# KiCad board Modem.kicad_pcb
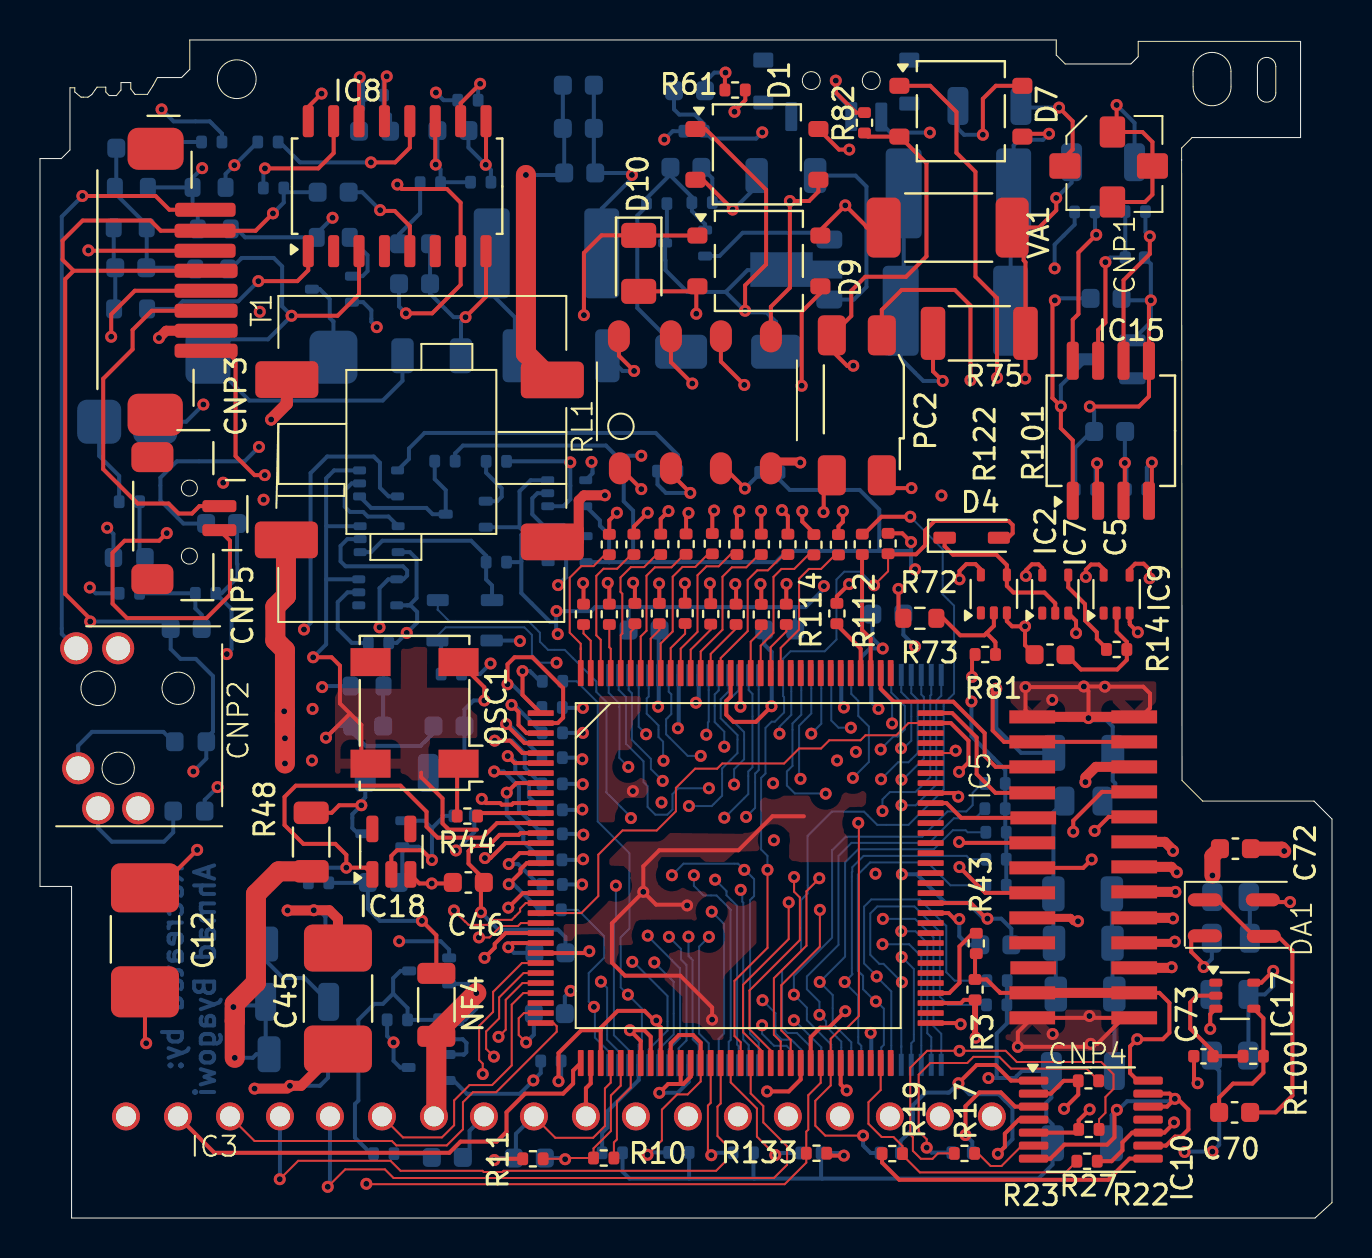
[diagram p0: board, top side]
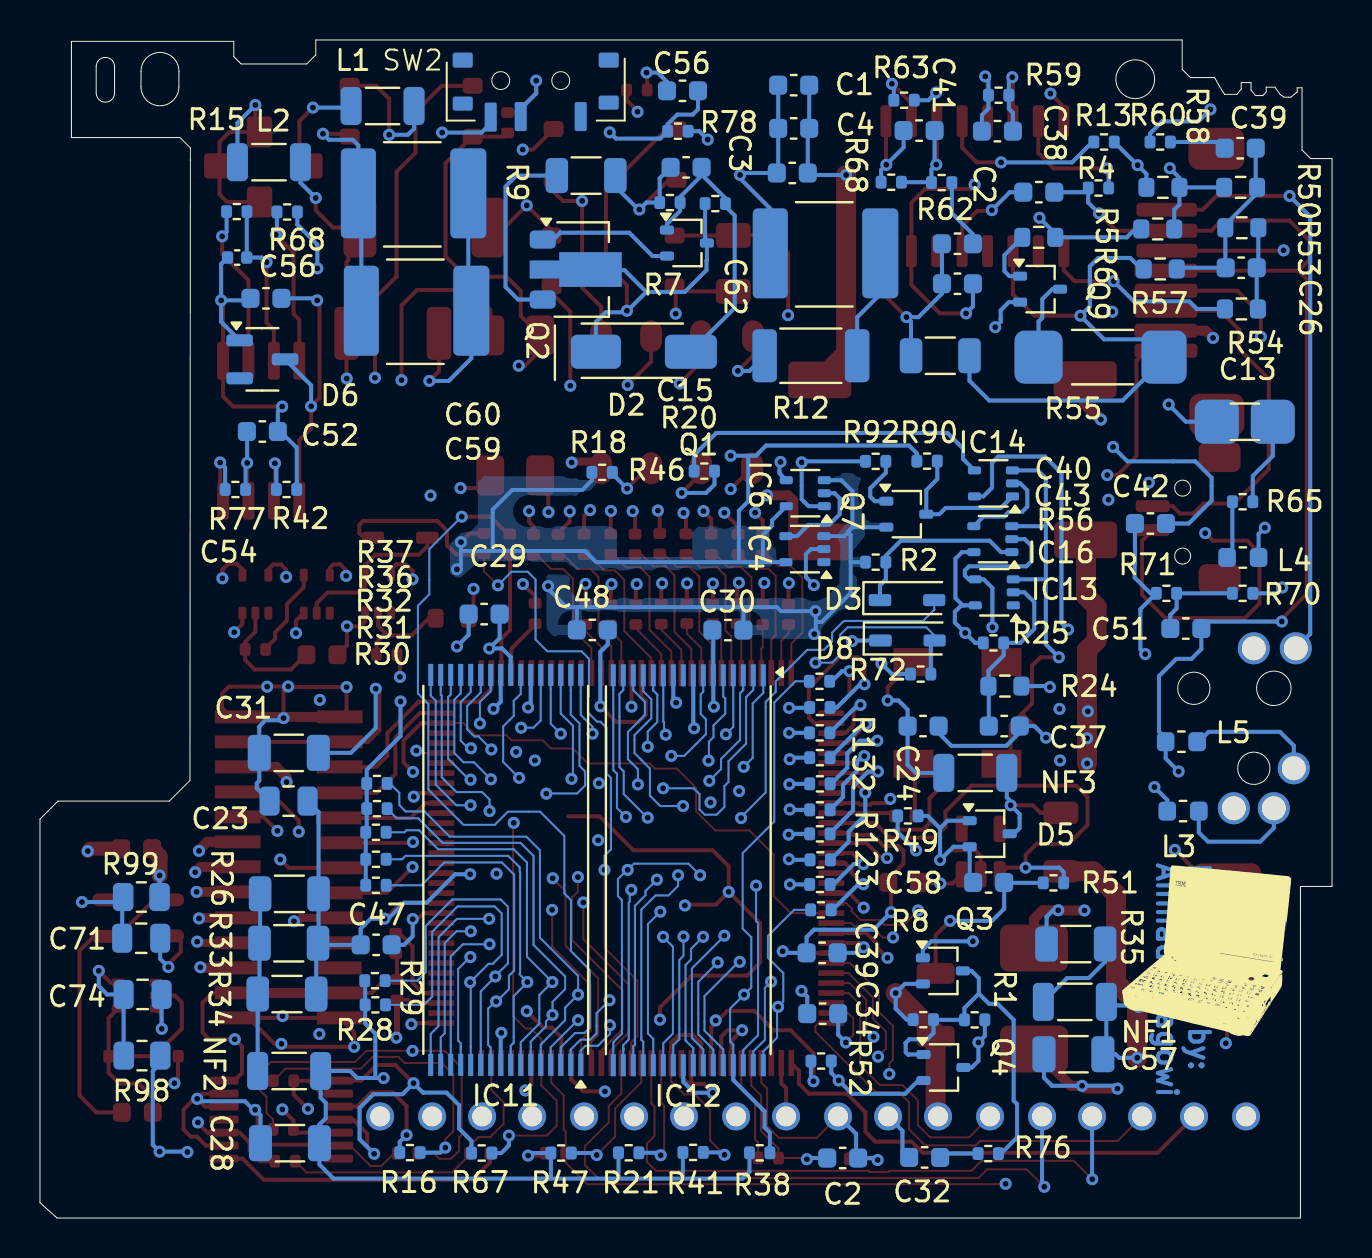
[diagram p1: board, bottom side, seen from below]

Outline 64.61 x 58.91 mm; copper layers: FC, IC1, IP1, IP2, IC2, BC. Coordinates in mm from the lower left corner of the outline.
Outline path: circle c9.84,56.95 r0.97 ; 0,52.98 0,16.58 1.58,16.58 1.58,0 63.76,0 64.61,0.77 64.61,19.95 63.71,20.85 58.14,20.85 57.11,21.88 57.09,52.9 57.09,53.51 57.61,54.03 63.04,54.03 63.04,58.84 54.92,58.84 54.92,58.08 54.55,57.71 51.27,57.71 50.82,58.16 50.82,58.91 7.49,58.91 7.49,57.44 7.08,57.03 5.87,57.03 5.65,56.63 5.37,56.19 4.75,56.19 4.54,56.46 4.54,56.78 4.05,56.78 4.05,56.41 3.82,56.13 3.46,56.13 3.29,56.31 3.29,56.55 2.85,56.55 2.59,56.18 2.4,56.05 2.05,56.05 1.74,56.31 1.74,56.52 1.5,56.52 1.5,53.41 1.07,52.98 0,52.98 ; 57.66,57.34 57.67,56.57 arc(58.61,55.62) 59.56,56.57 59.56,57.34 arc(58.61,58.29) 57.66,57.34 ; 60.88,57.58 arc(61.34,58.04) 61.8,57.58 61.8,56.26 arc(61.34,55.8) 60.88,56.26 60.88,57.58
Stack: FC 0.035mm / dielectric 0.1mm FR4 er 4.5 / IC1 0.035mm / dielectric 0.535mm FR4 er 4.5 / IP1 0.035mm / dielectric 0.1mm FR4 er 4.5 / IP2 0.035mm / dielectric 0.535mm FR4 er 4.5 / IC2 0.035mm / dielectric 0.1mm FR4 er 4.5 / BC 0.035mm

## Placement (name value [footprint] x y rotation side)
C1  330nF  [C_0603_1608Metric]  26.92 56.65 180 bottom
C2  1nF  [C_0603_1608Metric]  24.47 3 180 bottom
C2#2  1.2uF  [C_0603_1608Metric]  14.66 51.3 180 bottom
C3  30nF  [C_0603_1608Metric]  26.99 52.26 180 bottom
C4  330nF  [C_0603_1608Metric]  26.92 54.49 180 bottom
C5  250nF  [C_0603_1608Metric]  50.51 28.17 0 top
C12  47uF 16v  [C_1812_4532Metric#2]  5.25 13.94 90 top
C13  822J  [C_1206_3216Metric#2]  4.36 39.82 180 bottom
C15  1.2uF  [C_0603_1608Metric]  32.3 52.54 180 bottom
C23  1.2uF  [C_0805_2012Metric]  52.18 20.85 180 bottom
C24  230nF  [C_0603_1608Metric]  20.45 24.6 180 bottom
C26  10nF  [C_0603_1608Metric]  4.54 47.52 180 bottom
C28  8.1uF  [C_1206_3216Metric]  52.11 3.74 180 bottom
C29  1.5uF  [C_0603_1608Metric]  42.4 30.2 180 bottom
C30  1.5uF  [C_0603_1608Metric]  30.21 29.4 180 bottom
C31  230nF  [C_1206_3216Metric]  52.17 23.26 180 bottom
C32  1.2uF  [C_0603_1608Metric]  20.37 3.03 180 bottom
C34  1nF  [C_0603_1608Metric]  25.47 10.22 180 bottom
C37  230nF  [C_0603_1608Metric]  16.39 24.6 180 bottom
C38  2.2uF  [C_0603_1608Metric]  16.73 54.35 180 bottom
C39  100nF  [C_0603_1608Metric]  4.59 53.5 180 bottom
C39#2  25nF  [C_0603_1608Metric]  25.5 13.26 180 bottom
C40  16nF  [C_0603_1608Metric]  18.73 48.72 180 bottom
C41  1uF  [C_0603_1608Metric]  20.65 54.38 180 bottom
C42  1.2nF  [C_0603_1608Metric]  9.08 34.73 180 bottom
C43  1uF  [C_0603_1608Metric]  18.73 46.72 180 bottom
C45  47uF 16v  [C_1812_4532Metric]  14.9 10.98 90 top
C46  24nF  [C_0603_1608Metric]  21.42 16.78 0 top
C47  24nF  [C_0603_1608Metric]  47.8 13.66 180 bottom
C48  25nF  [C_0603_1608Metric]  36.99 29.41 180 bottom
C51  1.2nF  [C_0603_1608Metric]  7.31 29.48 180 bottom
C52  330nF  [C_0603_1608Metric]  53.49 39.33 180 bottom
C54  330nF  [C_0603_1608Metric]  53.31 45.99 180 bottom
C56  1.6nF  [C_0402_1005Metric]  54.75 48.03 180 bottom
C56#2  470nF  [C_0603_1608Metric]  32.48 56.37 180 bottom
C57  6.8uF  [C_1206_3216Metric]  12.93 8.19 180 bottom
C58  220nF  [C_0603_1608Metric]  17.17 16.78 180 bottom
C59  280nF  [C_2220_5750Metric]  45.84 45.32 180 bottom
C60  280nF  [C_2220_5750Metric]  45.99 51.19 180 bottom
C62  280nF  [C_2220_5750Metric]  25.39 48.19 180 bottom
C70  1.8uF  [C_0603_1608Metric]  59.74 5.28 0 top
C71  1.3uF  [C_0805_2012Metric]  59.55 13.99 180 bottom
C72  1.8uF  [C_0603_1608Metric]  59.78 18.47 0 top
C73  100pF  [C_0402_1005Metric]  58.18 8.09 0 top
C74  220nF  [C_0805_2012Metric]  59.48 11.18 180 bottom
CNP1  -  [Line_Connector]  53.73 52.71 0 top
CNP2  -  [modem_heaset_jack]  4.21 24.79 0 top
CNP3  -  [JST_8_headset_connector]  5.48 46.92 90 top
CNP4  -  [Modem-Connector]  51.82 17.51 0 top
CNP5  -  [JST_2_modem_spkr]  7.27 35.1 90 top
D1  -  [TO-269AA]  35.85 53.19 0 top
D2  1N4148  [D_SOD-128]  34.36 43.37 180 bottom
D3  5  [D_1206_3216Metric_modem]  21.14 31 180 bottom
D4  5  [D_1206_3216Metric_modem]  46.7 34.12 0 top
D5  3D  [SOT-323_SC-70]  17.12 19.22 180 bottom
D6  30H  [SOT-23-3]  53.49 42.94 180 bottom
D7  -  [TO-269AA]  46.05 55.35 0 top
D8  5  [D_1206_3216Metric_modem]  21.12 28.98 180 bottom
D9  -  [TO-269AA]  35.95 47.86 0 top
D10  152  [D_1206_3216Metric]  29.94 47.74 270 top
DA1  M1T  [DA_Modem]  59.75 15.11 0 top
G***  LOGO  [logo]  6.08 13.36 180 bottom
IC2  EA  [SOT-353_SC-70-5]  47.7 31.21 90 top
IC3  -  [Line-Module]  26.2 5.08 0 top
IC4  E5  [SOT-353_SC-70-5]  26.36 33.45 0 bottom
IC5  -  [MN195]  34.79 17.5 0 top
IC6  54  [SOT-353_SC-70-5]  26.34 36.25 0 bottom
IC7  EA  [SOT-353_SC-70-5]  50.77 31.2 90 top
IC8  TA31033F  [SOIC-16_4.55x10.3mm_P1.27mm]  17.86 51.6 90 top
IC9  EA  [SOT-353_SC-70-5]  53.84 31.2 90 top
IC10  AT32 433  [TSSOP-14_4.4x5mm_P0.65mm]  52.55 4.92 0 top
IC11  EN29F040A  [TSOP-I-32_18.4x8mm_P0.5mm_Reverse]  41.32 17.41 0 bottom
IC12  KM681000BLT-7 (I-Reverse)  [TSOP-I-32_18.4x8mm_P0.5mm_Reverse#2]  32.19 17.39 0 bottom
IC13  EA  [SOT-353_SC-70-5]  16.89 31.29 0 bottom
IC14  E4  [SOT-353_SC-70-5]  16.93 36.74 0 bottom
IC15  8206 5877  [SOIC-8_5.3x6.2mm_P1.27mm]  53.55 39.37 90 top
IC16  E3  [SOT-353_SC-70-5]  16.96 33.95 0 bottom
IC17  EA  [SOT-353_SC-70-5]  59.75 11.12 0 top
IC18  3L01  [TSOT-23-5]  17.57 18.32 90 top
L1  1.2uH  [L_1206_3216Metric]  47.48 55.61 180 bottom
L2  1.2uH  [L_1206_3216Metric]  53.16 52.8 180 bottom
L3  1.8uH  [L_0603_1608Metric]  7.45 20.35 180 bottom
L4  1.2uH  [L_0603_1608Metric]  4.46 33.03 180 bottom
L5  1.8uH  [L_0603_1608Metric]  7.53 23.82 180 bottom
NF1  300nH  [L_1206_3216Metric]  12.86 10.81 180 bottom
NF2  4.7nH  [L_1206_3216Metric]  52.15 7.35 180 bottom
NF3  0  [L_1206_3216Metric]  17.84 22.26 180 bottom
NF4  4.7nH  [L_1206_3216Metric]  19.82 10.66 90 top
OSC1  41.472  [Oscillator_SMD_Fordahl_DFAS2-4Pin_7.3x5.1mm]  18.73 25.26 90 top
PC2  TLP124  [Everlight_ITR8307_Reverse]  41.2 40.94 0 top
Q1  CQ  [SOT-323_SC-70]  32.26 48.76 180 bottom
Q2  DA QU  [SOT-89-3]  37.52 47.43 180 bottom
Q3  123  [SOT-323_SC-70]  19.46 12.36 180 bottom
Q4  CQ  [SOT-323_SC-70]  19.43 7.53 180 bottom
Q7  -  [SOT-323_SC-70]  21.29 35.2 180 bottom
Q9  HP  [SOT-323_SC-70]  14.6 46.45 180 bottom
R1  12k  [R_0402_1005Metric]  17.87 9.91 180 bottom
R2  4.7k  [R_0402_1005Metric]  22.82 32.8 180 bottom
R3  4.7k  [R_0402_1005Metric]  46.76 11.42 90 top
R4  330  [R_0402_1005Metric]  11.68 51.51 180 bottom
R5  100  [R_0603_1608Metric]  8.71 49.46 180 bottom
R6  3.3k  [R_0603_1608Metric]  14.66 49.04 180 bottom
R7  10  [R_1206_3216Metric]  37.3 52.13 180 bottom
R8  22k  [R_0402_1005Metric]  20.44 9.92 180 bottom
R9  100k  [R_0402_1005Metric]  33.11 50.78 180 bottom
R10  38k  [R_0402_1005Metric]  28.19 3 180 top
R11  38k  [R_0402_1005Metric]  24.65 2.96 180 top
R12  2.2k  [R_2010_5025Metric]  26.06 43.12 180 bottom
R13  10k  [R_0402_1005Metric]  11.4 53.81 180 bottom
R14  560k  [R_0402_1005Metric]  53.84 28.43 0 top
R15  330k  [R_0402_1005Metric]  54.77 50.33 180 bottom
R16  10k  [R_0402_1005Metric]  46.11 3.27 180 bottom
R17  10k  [R_0402_1005Metric]  46.23 3.23 180 top
R18  1.5k  [R_0402_1005Metric]  36.5 37.29 180 bottom
R19  10k  [R_0402_1005Metric]  42.62 3.22 180 top
R20  100k  [R_0402_1005Metric]  30.84 50.73 180 bottom
R21  10k  [R_0402_1005Metric]  35.17 3.26 180 bottom
R22  DNP  [R_0402_1005Metric]  52.43 6.86 180 top  (not fitted)
R23  DNP  [R_0402_1005Metric]  52.45 4.43 180 top  (not fitted)
R24  200  [R_0603_1608Metric]  16.35 26.6 180 bottom
R25  500k  [R_0402_1005Metric]  16.93 28.76 180 bottom
R26  10  [R_1206_3216Metric]  52.14 16.21 0 bottom
R27  DNP  [R_0402_1005Metric]  52.36 2.84 180 top  (not fitted)
R28  4.7k  [R_0402_1005Metric]  47.84 10.66 180 bottom
R29  4.7k  [R_0402_1005Metric]  47.86 11.87 180 bottom
R30  4.7k  [R_0402_1005Metric]  47.81 16.64 180 bottom
R31  4.7k  [R_0402_1005Metric]  47.81 17.94 180 bottom
R32  4.7k  [R_0402_1005Metric]  47.81 19.29 180 bottom
R33  10  [R_1206_3216Metric]  52.17 13.74 0 bottom
R34  10  [R_1206_3216Metric]  52.26 11.2 0 bottom
R35  20  [R_1206_3216Metric]  12.81 13.7 0 bottom
R36  4.7k  [R_0402_1005Metric]  47.76 20.47 180 bottom
R37  4.7k  [R_0402_1005Metric]  47.76 21.73 180 bottom
R38  4.7k  [R_0402_1005Metric]  28.62 3.26 180 bottom
R41  4.7k  [R_0402_1005Metric]  31.95 3.28 180 bottom
R42  15k  [R_0402_1005Metric]  52.28 36.43 180 bottom
R43  4.7k  [R_0402_1005Metric]  46.82 13.73 90 top
R44  51  [R_0402_1005Metric]  21.37 20.1 180 top
R46  1.5k  [R_0402_1005Metric]  31.39 37.35 180 bottom
R47  10k  [R_0402_1005Metric]  38.55 3.25 180 bottom
R48  3.3  [R_1206_3216Metric]  13.56 18.8 90 top
R49  10k  [R_0402_1005Metric]  21.21 20.11 180 bottom
R50  6.2k  [R_0603_1608Metric]  4.57 51.54 180 bottom
R51  470k  [R_0402_1005Metric]  13.93 16.76 180 bottom
R52  1k  [R_0402_1005Metric]  25.55 7.85 180 bottom
R53  11k  [R_0603_1608Metric]  4.51 49.52 180 bottom
R54  1.5k  [R_0603_1608Metric]  4.53 45.46 180 bottom
R55  82  [R_2010_5025Metric#2]  11.47 43.05 180 bottom
R56  15  [R_1206_3216Metric]  19.59 43.12 0 bottom
R57  150  [R_0603_1608Metric]  8.59 47.46 180 bottom
R58  620  [R_0603_1608Metric]  8.45 51.54 180 bottom
R59  2.2k  [R_0402_1005Metric]  16.67 56.15 180 bottom
R60  2.2k  [R_0402_1005Metric]  8.59 53.81 180 bottom
R61  3.6k  [R_0402_1005Metric]  34.76 56.41 180 top
R62  10k  [R_0402_1005Metric]  19.52 51.78 180 bottom
R63  100k  [R_0402_1005Metric]  21.4 55.9 180 bottom
R65  15  [R_0402_1005Metric]  4.47 35.82 180 bottom
R67  10k  [R_0402_1005Metric]  42.52 3.25 180 bottom
R68  38k  [R_0402_1005Metric]  22.04 51.8 180 bottom
R68#2  20k  [R_0402_1005Metric]  52.25 50.31 180 bottom
R70  1k  [R_0402_1005Metric]  4.47 31.24 180 bottom
R71  1k  [R_0402_1005Metric]  8.28 31.24 180 bottom
R72  470k  [R_0402_1005Metric]  42.41 33.73 270 top
R72#2  470k  [R_0402_1005Metric]  20.57 27.2 180 bottom
R73  120  [R_0603_1608Metric]  44 29.99 0 top
R75  2.2k  [R_2010_5025Metric]  46.97 44.24 0 top
R76  2.4k  [R_0402_1005Metric]  17.19 3.22 180 bottom
R77  270k  [R_0402_1005Metric]  54.84 36.43 180 bottom
R78  5.6k  [R_0402_1005Metric]  32.71 54.35 180 bottom
R81  100k  [R_0402_1005Metric]  47.27 28.18 0 top
R82  10k  [R_0402_1005Metric]  41.23 54.77 90 top
R90  470k  [R_0402_1005Metric]  20.25 37.85 180 bottom
R92  47k  [R_0402_1005Metric]  22.82 37.84 180 bottom
R98  100  [R_0805_2012Metric]  59.51 8.12 180 bottom
R99  100  [R_0805_2012Metric]  59.54 16.05 180 bottom
R100  470k  [R_0402_1005Metric]  60.67 8.09 180 top
R101  100  [R_0402_1005Metric]  41.12 33.69 270 top
R102  100  [R_0402_1005Metric]  39.93 33.67 270 top
R103  100  [R_0402_1005Metric]  38.7 33.67 270 top
R104  100  [R_0402_1005Metric]  37.4 33.69 270 top
R105  100  [R_0402_1005Metric]  36.07 33.69 270 top
R106  100  [R_0402_1005Metric]  34.85 33.69 270 top
R107  100  [R_0402_1005Metric]  33.62 33.72 270 top
R108  100  [R_0402_1005Metric]  32.31 33.7 270 top
R109  100  [R_0402_1005Metric]  31.04 33.69 270 top
R110  100  [R_0402_1005Metric]  29.7 33.69 270 top
R111  100  [R_0402_1005Metric]  28.47 33.68 270 top
R112  100  [R_0402_1005Metric]  39.85 30.23 270 top
R114  100  [R_0402_1005Metric]  37.32 30.19 270 top
R115  100  [R_0402_1005Metric]  36.07 30.18 270 top
R116  100  [R_0402_1005Metric]  34.81 30.19 270 top
R117  100  [R_0402_1005Metric]  33.54 30.21 270 top
R118  100  [R_0402_1005Metric]  32.26 30.24 270 top
R119  100  [R_0402_1005Metric]  30.97 30.23 270 top
R120  100  [R_0402_1005Metric]  29.75 30.23 270 top
R121  100  [R_0402_1005Metric]  28.47 30.19 270 top
R122  100  [R_0402_1005Metric]  27.18 30.19 270 top
R123  100  [R_0402_1005Metric]  25.56 15.41 180 bottom
R124  100  [R_0402_1005Metric]  25.61 16.68 180 bottom
R124#2  100  [R_0402_1005Metric]  25.61 21.71 180 bottom
R125  100  [R_0402_1005Metric]  25.59 17.91 180 bottom
R126  100  [R_0402_1005Metric]  25.61 19.21 180 bottom
R127  100  [R_0402_1005Metric]  25.61 20.41 180 bottom
R129  100  [R_0402_1005Metric]  25.61 23.02 180 bottom
R130  100  [R_0402_1005Metric]  25.62 24.26 180 bottom
R131  100  [R_0402_1005Metric]  25.61 25.53 180 bottom
R132  100  [R_0402_1005Metric]  25.63 26.84 180 bottom
R133  10k  [R_0402_1005Metric]  38.83 3.24 180 top
RL1  -  [RL]  32.95 40.79 0 top
SW2  -  [SW_modem]  39.97 56.88 180 bottom
T1  -  [IsoTransformer]  19.22 38.51 0 top
VA1  -  [R_2512_6332Metric]  45.44 49.53 0 top

## Footprints (pads in the part's own frame, mm; a bottom-side part is the same pattern mirrored in y, then rotated)
C_0402_1005Metric
  rrect 0.56x0.62 smd: 1(-0.48,0) 2(0.48,0)
C_0603_1608Metric
  rrect 0.9x0.95 smd: 1(-0.775,0) 2(0.775,0)
C_0805_2012Metric
  rrect 1x1.45 smd: 1(-0.95,0) 2(0.95,0)
C_1206_3216Metric
  rrect 1.15x1.8 smd: 1(-1.475,0) 2(1.475,0)
C_1206_3216Metric#2
  rrect 2.2x2.2 smd: 1(-1.4,0) 2(1.4,0)
C_1812_4532Metric
  rrect 2.35x3.4 smd: 1(-2.525,0) 2(2.525,0)
C_1812_4532Metric#2
  rrect 2.55x3.4 smd: 1(-2.625,0)
  rrect 2.45x3.4 smd: 2(2.575,0)
C_2220_5750Metric
  rrect 1.75x4.5 smd: 1(-2.7,0.05)
  rrect 1.8x4.5 smd: 2(2.8,0.05)
D_1206_3216Metric
  rrect 1.25x1.75 smd: 1(-1.4,0) 2(1.4,0)
D_1206_3216Metric_modem
  rrect 1.125x0.6 smd: 1(-1.462,-0.1)
  rrect 1.1x0.6 smd: 2(1.25,-0.1)
D_SOD-128
  rrect 2.5x1.7 smd: 1(-2.45,-0.05)
  rrect 2.6x1.7 smd: 2(2.3,-0.05)
DA_Modem
  oval 1.7x0.65 smd: 1(1.45,-1.025) 2(1.4,0.8) 3(-1.5,-1) 4(-1.5,0.8)
Everlight_ITR8307_Reverse
  rrect 1.4x2 smd: 1(0.9,3.2) 2(0.9,-3.8) 3(-1.6,3.2) 4(-1.6,-3.8)
IsoTransformer
  rrect 3.152x1.835 smd: 1(-6.876,3.417) 2(-6.9,-4.6) 3(6.4,-4.7) 4(6.4,3.4)
JST_2_modem_spkr
  rrect 0.6x1.7 smd: 1(-0.7,-1.7) 2(0.5,-1.7)
  rrect 1.5x2.1 smd: MP(-3.15,1.65) MP(2.95,1.65)
JST_8_headset_connector
  rrect 0.7x3.025 smd: 1(3.5,-2.788)
  rrect 0.7x3.05 smd: 2(2.45,-2.775) 3(1.45,-2.775)
  rrect 0.7x3.15 smd: 4(0.45,-2.825) 5(-0.55,-2.825) 6(-1.55,-2.825) 7(-2.55,-2.825) 8(-3.55,-2.825)
  rrect 2.1x2.76 smd: MP(-6.75,-0.28)
  rrect 2.1x2.8 smd: MP(6.55,-0.3)
L_0603_1608Metric
  rrect 0.875x0.95 smd: 1(-0.787,0) 2(0.787,0)
L_1206_3216Metric
  rrect 1.05x1.9 smd: 1(-1.575,0) 2(1.575,0)
Line-Module
  round 1.4 hole 1: 1(-21.9,0) 2(-19.3,0) 3(-16.7,0) 4(-14.2,0) 5(-11.7,0) 6(-9.1,0) 7(-6.5,0) 8(-4,0) 9(-1.5,0) 10(1.1,0) 11(3.6,0) 12(6.2,0) 13(8.7,0) 14(11.2,0) 15(13.8,0) 16(16.3,0) 17(18.8,0) 18(21.4,0)
Line_Connector
  rrect 1.552x1.27 smd: 1(-2.476,-0.1) 3(1.9,-0.1)
  rrect 1.27x1.552 smd: 2(-0.1,-1.9) 4(-0.1,1.6)
MN195
  rrect 1.302x0.285 smd: 1(-9.75,7.75) 2(-9.75,7.25) 3(-9.75,6.75) 4(-9.75,6.25) 5(-9.75,5.75) 6(-9.75,5.25) 7(-9.75,4.75) 8(-9.75,4.25) 9(-9.75,3.75) 10(-9.75,3.25) 11(-9.75,2.75) 12(-9.75,2.25) 13(-9.75,1.75) 14(-9.75,1.25) 15(-9.75,0.75) 16(-9.75,0.25) 17(-9.75,-0.25) 18(-9.75,-0.75) 19(-9.75,-1.25) 20(-9.75,-1.75) 21(-9.75,-2.25) 22(-9.75,-2.75) 23(-9.75,-3.25) 24(-9.75,-3.75) 25(-9.75,-4.25) 26(-9.75,-4.75) 27(-9.75,-5.25) 28(-9.75,-5.75) 29(-9.75,-6.25) 30(-9.75,-6.75) 31(-9.75,-7.25) 32(-9.75,-7.75) 65(9.75,-7.75) 66(9.75,-7.25) 67(9.75,-6.75) 68(9.75,-6.25) 69(9.75,-5.75) 70(9.75,-5.25) 71(9.75,-4.75) 72(9.75,-4.25) 73(9.75,-3.75) 74(9.75,-3.25) 75(9.75,-2.75) 76(9.75,-2.25) 77(9.75,-1.75) 78(9.75,-1.25) 79(9.75,-0.75) 80(9.75,-0.25) 81(9.75,0.25) 82(9.75,0.75) 83(9.75,1.25) 84(9.75,1.75) 85(9.75,2.25) 86(9.75,2.75) 87(9.75,3.25) 88(9.75,3.75) 89(9.75,4.25) 90(9.75,4.75) 91(9.75,5.25) 92(9.75,5.75) 93(9.75,6.25) 94(9.75,6.75) 95(9.75,7.25) 96(9.75,7.75)
  rrect 0.285x1.302 smd: 33(-7.75,-9.75) 34(-7.25,-9.75) 35(-6.75,-9.75) 36(-6.25,-9.75) 37(-5.75,-9.75) 38(-5.25,-9.75) 39(-4.75,-9.75) 40(-4.25,-9.75) 41(-3.75,-9.75) 42(-3.25,-9.75) 43(-2.75,-9.75) 44(-2.25,-9.75) 45(-1.75,-9.75) 46(-1.25,-9.75) 47(-0.75,-9.75) 48(-0.25,-9.75) 49(0.25,-9.75) 50(0.75,-9.75) 51(1.25,-9.75) 52(1.75,-9.75) 53(2.25,-9.75) 54(2.75,-9.75) 55(3.25,-9.75) 56(3.75,-9.75) 57(4.25,-9.75) 58(4.75,-9.75) 59(5.25,-9.75) 60(5.75,-9.75) 61(6.25,-9.75) 62(6.75,-9.75) 63(7.25,-9.75) 64(7.75,-9.75) 97(7.75,9.75) 98(7.25,9.75) 99(6.75,9.75) 100(6.25,9.75) 101(5.75,9.75) 102(5.25,9.75) 103(4.75,9.75) 104(4.25,9.75) 105(3.75,9.75) 106(3.25,9.75) 107(2.75,9.75) 108(2.25,9.75) 109(1.75,9.75) 110(1.25,9.75) 111(0.75,9.75) 112(0.25,9.75) 113(-0.25,9.75) 114(-0.75,9.75) 115(-1.25,9.75) 116(-1.75,9.75) 117(-2.25,9.75) 118(-2.75,9.75) 119(-3.25,9.75) 120(-3.75,9.75) 121(-4.25,9.75) 122(-4.75,9.75) 123(-5.25,9.75) 124(-5.75,9.75) 125(-6.25,9.75) 126(-6.75,9.75) 127(-7.25,9.75) 128(-7.75,9.75)
Modem-Connector
  rect 2.286x0.65 smd: 1(2.9,-7.5) 2(2.9,-6.25) 3(2.9,-5) 4(2.9,-3.75) 5(2.9,-2.5) 6(2.9,-1.2) 7(2.9,0.05) 8(2.9,1.3) 9(2.9,2.55) 10(2.9,3.8) 11(2.9,5.05) 12(2.9,6.3) 13(2.9,7.55) 14(-2.2,7.55) 15(-2.2,6.3) 16(-2.2,5.05) 17(-2.2,3.75) 18(-2.15,2.5) 19(-2.2,1.25) 20(-2.2,0) 21(-2.2,-1.25) 22(-2.2,-2.5) 23(-2.2,-3.75) 24(-2.15,-5) 25(-2.2,-6.25) 26(-2.2,-7.5)
modem_heaset_jack
  round 1.6 hole 1.2: 1(-1.3,-4.3) 2(0.7,-4.3) 3(-0.3,3.7) 4(-2.4,3.7) 5(-2.3,-2.3)
Oscillator_SMD_Fordahl_DFAS2-4Pin_7.3x5.1mm
  rect 1.4x2 smd: 1(-2.54,-2.2) 2(2.54,-2.2) 3(2.54,2.2) 4(-2.54,2.2)
R_0402_1005Metric
  rrect 0.54x0.64 smd: 1(-0.51,0) 2(0.51,0)
R_0603_1608Metric
  rrect 0.8x0.95 smd: 1(-0.825,0) 2(0.825,0)
R_0805_2012Metric
  rrect 1.025x1.4 smd: 1(-0.912,0) 2(0.912,0)
R_1206_3216Metric
  rrect 1.125x1.75 smd: 1(-1.462,0) 2(1.462,0)
R_2010_5025Metric
  rrect 1.225x2.65 smd: 1(-2.312,0) 2(2.312,0)
R_2010_5025Metric#2
  rrect 2.4x2.65 smd: 1(-3.2,0)
  rrect 2.25x2.65 smd: 2(3.075,0)
R_2512_6332Metric
  rrect 1.7x3 smd: 1(-3.25,0)
  rrect 1.65x3 smd: 2(3.175,0)
RL
  oval 1.1x1.6 smd: 1(-3.95,-3.3) 2(-1.4,-3.3) 3(1.1,-3.3) 4(3.6,-3.3) 5(3.6,3.3) 6(1.1,3.3) 7(-1.4,3.3) 8(-4,3.3)
SOIC-8_5.3x6.2mm_P1.27mm
  rrect 1.9x0.6 smd: 1(-3.5,1.905) 2(-3.5,0.635) 3(-3.5,-0.635) 4(-3.5,-1.905) 5(3.5,-1.905) 6(3.5,-0.635) 7(3.5,0.635) 8(3.5,1.905)
SOIC-16_4.55x10.3mm_P1.27mm
  rrect 1.6x0.55 smd: 1(-3.25,4.445) 2(-3.25,3.175) 3(-3.25,1.905) 4(-3.25,0.635) 5(-3.25,-0.635) 6(-3.25,-1.905) 7(-3.25,-3.175) 8(-3.25,-4.445) 9(3.25,-4.445) 10(3.25,-3.175) 11(3.25,-1.905) 12(3.25,-0.635) 13(3.25,0.635) 14(3.25,1.905) 15(3.25,3.175) 16(3.25,4.445)
SOT-23-3
  rrect 1.325x0.6 smd: 1(-1.137,0.95) 2(-1.137,-0.95) 3(1.137,0)
SOT-89-3
  rrect 1.3x0.9 smd: 1(-1.95,1.5) 3(-1.95,-1.5)
  custom 4.6x1.733 smd: 2(-1.863,0)
SOT-323_SC-70
  rrect 0.7x0.45 smd: 1(-1,0.65) 2(-1,-0.65) 3(1,0)
SOT-353_SC-70-5
  rrect 0.65x0.4 smd: 1(-0.95,0.65) 2(-0.95,0) 3(-0.95,-0.65) 4(0.95,-0.65) 5(0.95,0.65)
SW_modem
  rrect 0.6x1.45 smd: 1(2.4,-1.8) 2(-0.6,-1.8) 3(-2.1,-1.825)
  rrect 1x0.7 smd: MP(-3.5,-1.15) MP(3.8,-1.1)
  rrect 1x0.75 smd: MP(-3.5,1.025) MP(3.8,1.025)
TO-269AA
  rrect 1x0.8 smd: 1(-3.075,1.27) 2(-3.075,-1.27) 3(3.075,-1.27) 4(3.075,1.27)
TSOP-I-32_18.4x8mm_P0.5mm_Reverse
  rect 0.25x1.1 smd: 1(-3.75,9.75) 2(-3.25,9.75) 3(-2.75,9.75) 4(-2.25,9.75) 5(-1.75,9.75) 6(-1.25,9.75) 7(-0.75,9.75) 8(-0.25,9.75) 9(0.25,9.75) 10(0.75,9.75) 11(1.25,9.75) 12(1.75,9.75) 13(2.25,9.75) 14(2.75,9.75) 15(3.25,9.75) 16(3.75,9.75) 17(3.75,-9.75) 18(3.25,-9.75) 19(2.75,-9.75) 20(2.25,-9.75) 21(1.75,-9.75) 22(1.25,-9.75) 23(0.75,-9.75) 24(0.25,-9.75) 25(-0.25,-9.75) 26(-0.75,-9.75) 27(-1.25,-9.75) 28(-1.75,-9.75) 29(-2.25,-9.75) 30(-2.75,-9.75) 31(-3.25,-9.75) 32(-3.75,-9.75)
TSOP-I-32_18.4x8mm_P0.5mm_Reverse#2
  rect 0.25x1.1 smd: 1(-3.75,-9.75) 2(-3.25,-9.75) 3(-2.75,-9.75) 4(-2.25,-9.75) 5(-1.75,-9.75) 6(-1.25,-9.75) 7(-0.75,-9.75) 8(-0.25,-9.75) 9(0.25,-9.75) 10(0.75,-9.75) 11(1.25,-9.75) 12(1.75,-9.75) 13(2.25,-9.75) 14(2.75,-9.75) 15(3.25,-9.75) 16(3.75,-9.75) 17(3.75,9.75) 18(3.25,9.75) 19(2.75,9.75) 20(2.25,9.75) 21(1.75,9.75) 22(1.25,9.75) 23(0.75,9.75) 24(0.25,9.75) 25(-0.25,9.75) 26(-0.75,9.75) 27(-1.25,9.75) 28(-1.75,9.75) 29(-2.25,9.75) 30(-2.75,9.75) 31(-3.25,9.75) 32(-3.75,9.75)
TSOT-23-5
  rrect 1.325x0.6 smd: 1(-1.137,0.95) 2(-1.137,0) 3(-1.137,-0.95) 4(1.137,-0.95) 5(1.137,0.95)
TSSOP-14_4.4x5mm_P0.65mm
  rrect 1.475x0.4 smd: 1(-2.862,1.95) 2(-2.862,1.3) 3(-2.862,0.65) 4(-2.862,0) 5(-2.862,-0.65) 6(-2.862,-1.3) 7(-2.862,-1.95) 8(2.862,-1.95) 9(2.862,-1.3) 10(2.862,-0.65) 11(2.862,0) 12(2.862,0.65) 13(2.862,1.3) 14(2.862,1.95)
